# KiCad board Cockpit.kicad_pcb (continued)
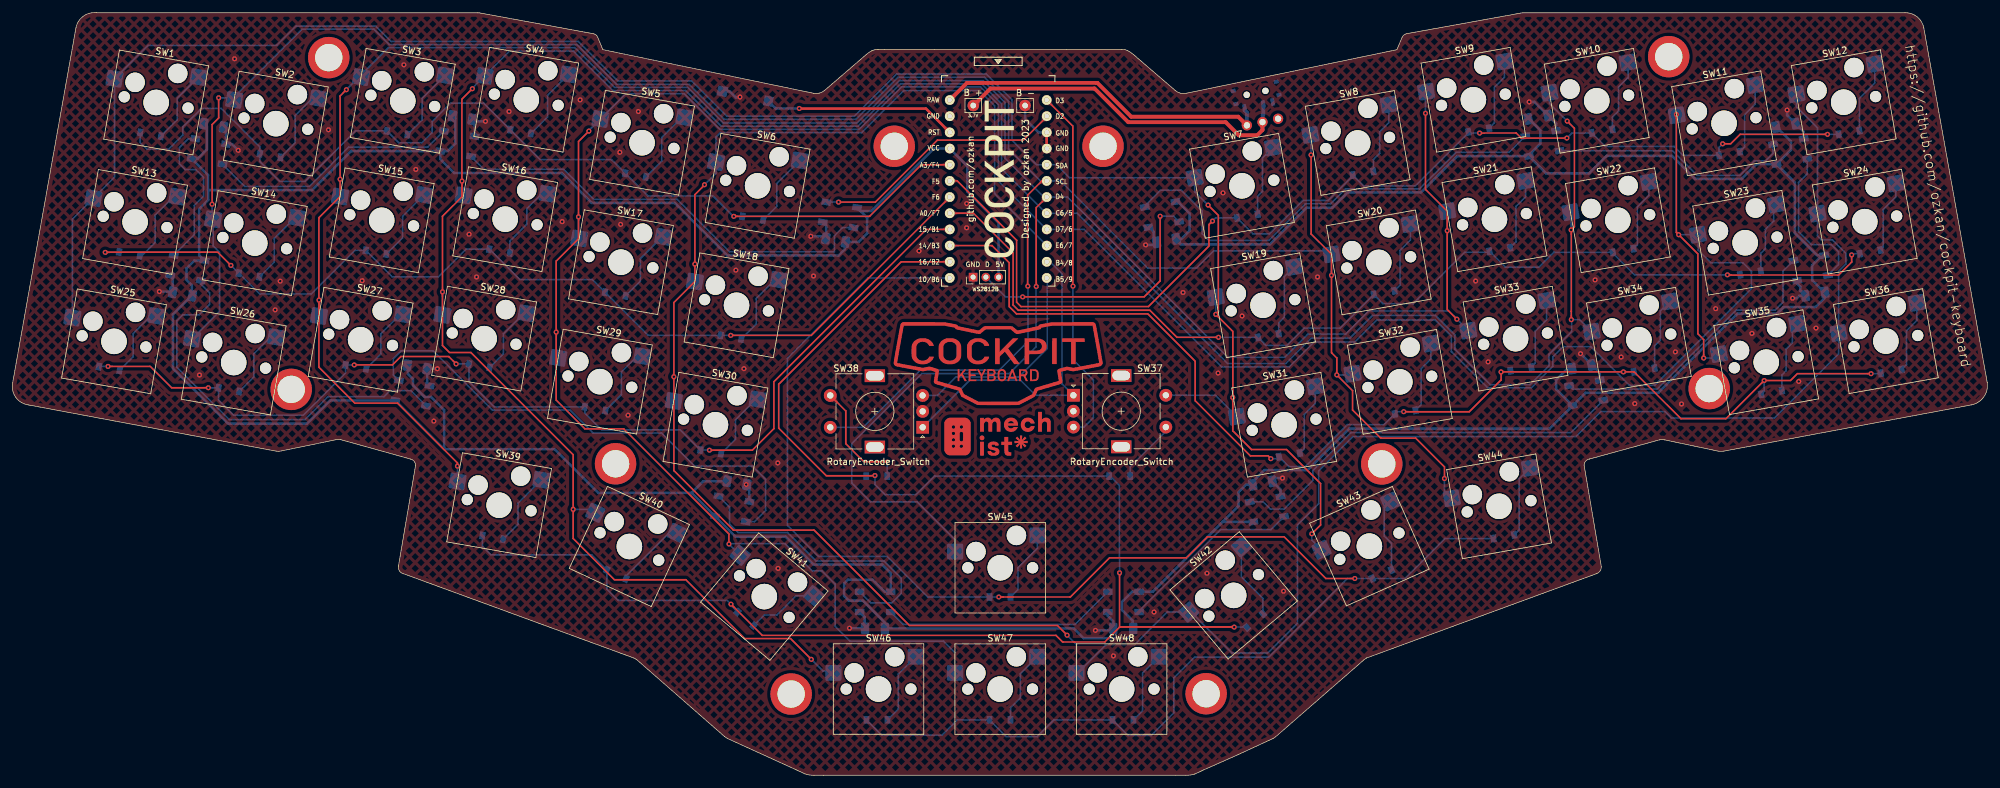
[diagram p0: board, top side]
## Copper pours and planes (outline as drawn; the poured copper is in the pictures) (continued)
COL5 on Bottom: 280.37,104.71 280.22,104.9 280.15,105.07 280.16,105.23 280.22,105.39 280.33,105.54 280.46,105.69 280.62,105.86 280.78,106.03 280.92,106.22 281.05,106.43 279.92,107.6 279.04,106.09 279.2,105.92 279.33,105.76 279.43,105.62 279.51,105.48 279.59,105.34 279.66,105.2 279.75,105.06 279.87,104.9 280.01,104.73 280.19,104.53
COL5 on Bottom: 283.36,85.72 283.37,86.02 283.42,86.26 283.49,86.46 283.59,86.63 283.7,86.78 283.82,86.92 283.95,87.07 284.09,87.24 284.22,87.43 284.36,87.67 283.23,88.84 282.11,87.67 282.24,87.43 282.37,87.24 282.51,87.07 282.64,86.92 282.76,86.78 282.88,86.63 282.97,86.46 283.04,86.26 283.09,86.02 283.11,85.72
COL5 on Bottom: 103.62,61.28 103.61,60.98 103.56,60.74 103.49,60.54 103.39,60.37 103.28,60.22 103.16,60.08 103.03,59.93 102.89,59.76 102.75,59.57 102.62,59.33 103.74,58.16 104.87,59.32 104.74,59.56 104.61,59.76 104.47,59.93 104.34,60.07 104.21,60.22 104.1,60.37 104.01,60.54 103.94,60.74 103.89,60.98 103.87,61.28
COL5 on Bottom: 161.1,84.17 161.22,84.04 161.31,83.92 161.37,83.8 161.41,83.69 161.43,83.59 161.44,83.47 161.46,83.36 161.47,83.23 161.5,83.09 161.55,82.94 162.54,82.92 162.52,83.91 162.36,83.95 162.22,83.98 162.1,84 161.98,84.01 161.87,84.02 161.76,84.05 161.65,84.08 161.54,84.14 161.41,84.23 161.28,84.35
COL5 on Bottom: 166.81,18.57 166.8,18.27 166.75,18.03 166.68,17.83 166.58,17.66 166.47,17.51 166.35,17.37 166.22,17.22 166.08,17.06 165.94,16.86 165.81,16.62 166.94,15.45 168.06,16.62 167.93,16.86 167.8,17.06 167.66,17.22 167.53,17.37 167.4,17.51 167.29,17.66 167.2,17.83 167.13,18.03 167.08,18.27 167.06,18.57
COL5 on Bottom: 283.11,90.7 283.09,90.41 283.04,90.17 282.97,89.97 282.88,89.8 282.76,89.65 282.64,89.51 282.51,89.36 282.37,89.19 282.24,89 282.11,88.76 283.23,87.59 284.36,88.76 284.22,89 284.09,89.19 283.95,89.36 283.82,89.51 283.7,89.65 283.59,89.8 283.49,89.97 283.42,90.17 283.37,90.41 283.36,90.7
D2 on Top: 161.32,102.3 161.45,102.42 161.58,102.51 161.69,102.57 161.81,102.62 161.92,102.64 162.03,102.66 162.15,102.68 162.28,102.71 162.41,102.75 162.57,102.81 162.52,103.79 161.53,103.7 161.5,103.55 161.48,103.41 161.47,103.28 161.46,103.16 161.45,103.05 161.43,102.95 161.4,102.84 161.34,102.72 161.26,102.6 161.14,102.47
D2 on Bottom: 128.67,90.14 128.55,90.15 128.46,90.16 128.38,90.18 128.31,90.21 128.24,90.24 128.18,90.28 128.05,90.37 127.98,90.42 127.89,90.46 127.42,90.01 127.9,89.56 127.99,89.61 128.06,89.66 128.19,89.75 128.25,89.79 128.31,89.82 128.38,89.85 128.46,89.87 128.55,89.89 128.67,89.89
D3 on Top: 163.43,105.06 163.31,105.19 163.23,105.31 163.17,105.43 163.13,105.54 163.11,105.65 163.09,105.76 163.08,105.88 163.06,106 163.03,106.14 162.99,106.3 162,106.32 162.02,105.33 162.17,105.28 162.31,105.25 162.44,105.23 162.56,105.22 162.67,105.21 162.78,105.18 162.89,105.15 163,105.09 163.12,105 163.26,104.88
D3 on Bottom: 168.27,55.02 168.12,54.9 167.98,54.85 167.85,54.85 167.73,54.91 167.6,54.99 167.48,55.11 167.35,55.23 167.21,55.36 167.06,55.48 166.89,55.58 165.96,54.68 167.16,53.97 167.3,54.1 167.43,54.2 167.55,54.27 167.67,54.33 167.78,54.38 167.9,54.44 168.02,54.5 168.15,54.59 168.29,54.7 168.44,54.84
DOUT on Bottom: 153.75,77.37 153.65,77.49 153.57,77.59 153.52,77.69 153.48,77.79 153.46,77.88 153.45,77.98 153.43,78.08 153.42,78.2 153.39,78.32 153.35,78.45 152.47,78.47 152.49,77.59 152.63,77.55 152.75,77.53 152.86,77.51 152.96,77.5 153.06,77.48 153.16,77.46 153.25,77.43 153.35,77.37 153.46,77.3 153.58,77.19
RAW on Top: 147.91,107.33 147.79,107.22 147.67,107.12 147.57,107.05 147.47,106.99 147.37,106.95 147.28,106.91 147.17,106.88 147.06,106.85 146.94,106.81 146.8,106.77 146.78,105.78 147.77,105.8 147.81,105.93 147.85,106.06 147.88,106.17 147.91,106.27 147.95,106.37 147.99,106.47 148.05,106.57 148.12,106.67 148.22,106.78 148.34,106.91
RAW on Top: 192.35,102.98 192.47,102.85 192.57,102.73 192.64,102.62 192.7,102.52 192.74,102.42 192.78,102.31 192.81,102.2 192.84,102.09 192.88,101.95 192.93,101.81 193.97,101.79 193.95,102.83 193.8,102.87 193.67,102.91 193.55,102.94 193.44,102.98 193.34,103.01 193.23,103.05 193.13,103.11 193.02,103.19 192.9,103.28 192.77,103.41
RAW on Bottom: 193.38,103.66 193.38,103.48 193.36,103.33 193.34,103.2 193.3,103.08 193.26,102.98 193.21,102.88 193.16,102.78 193.1,102.68 193.03,102.56 192.96,102.42 193.68,101.67 194.4,102.42 194.33,102.56 194.27,102.68 194.21,102.78 194.15,102.88 194.1,102.98 194.06,103.08 194.03,103.2 194,103.33 193.99,103.48 193.98,103.66
ROW0 on Top: 145.53,95.76 145.71,95.75 145.85,95.73 145.97,95.69 146.08,95.64 146.17,95.57 146.26,95.51 146.35,95.43 146.46,95.36 146.57,95.28 146.72,95.2 147.43,95.89 146.72,96.57 146.57,96.49 146.46,96.42 146.35,96.34 146.26,96.26 146.17,96.2 146.08,96.14 145.97,96.08 145.85,96.04 145.71,96.02 145.53,96.01
ROW1 on Top: 148.56,93.18 148.44,93.29 148.33,93.38 148.24,93.45 148.14,93.5 147.97,93.6 147.88,93.65 147.79,93.71 147.69,93.79 147.59,93.88 146.67,93.35 147.38,92.66 147.5,92.73 147.61,92.81 147.71,92.9 147.81,92.98 147.9,93.05 147.99,93.1 148.08,93.13 148.18,93.13 148.28,93.09 148.39,93
ROW2 on Top: 146.06,89.64 146.19,89.76 146.32,89.85 146.43,89.91 146.54,89.94 146.65,89.97 146.76,89.98 146.88,89.99 147,90.01 147.14,90.04 147.3,90.09 147.32,91.08 146.33,91.06 146.28,90.9 146.25,90.76 146.24,90.64 146.22,90.52 146.21,90.41 146.19,90.3 146.15,90.19 146.09,90.07 146,89.95 145.88,89.82
ROW3 on Top: 148.57,88.39 148.39,88.4 148.24,88.42 148.12,88.46 148.02,88.52 147.92,88.58 147.83,88.64 147.74,88.72 147.64,88.8 147.52,88.87 147.38,88.95 146.67,88.27 147.38,87.58 147.52,87.66 147.64,87.74 147.74,87.81 147.83,87.89 147.92,87.95 148.02,88.02 148.12,88.07 148.24,88.11 148.39,88.13 148.57,88.14
ROW4 on Top: 145.53,85.6 145.71,85.59 145.85,85.57 145.97,85.53 146.08,85.48 146.17,85.41 146.26,85.35 146.35,85.27 146.46,85.2 146.57,85.12 146.72,85.04 147.43,85.73 146.72,86.41 146.57,86.33 146.46,86.26 146.35,86.18 146.26,86.1 146.17,86.04 146.08,85.98 145.97,85.92 145.85,85.88 145.71,85.86 145.53,85.85
ROW5 on Top: 148.57,83.31 148.39,83.32 148.24,83.34 148.12,83.38 148.02,83.44 147.92,83.5 147.83,83.56 147.74,83.64 147.64,83.72 147.52,83.79 147.38,83.87 146.67,83.19 147.38,82.5 147.52,82.58 147.64,82.66 147.74,82.73 147.83,82.81 147.92,82.87 148.02,82.94 148.12,82.99 148.24,83.03 148.39,83.05 148.57,83.06
ROW6 on Top: 145.53,80.52 145.71,80.51 145.85,80.49 145.97,80.45 146.08,80.4 146.17,80.33 146.26,80.27 146.35,80.19 146.46,80.12 146.57,80.04 146.72,79.96 147.43,80.65 146.72,81.33 146.57,81.25 146.46,81.18 146.35,81.1 146.26,81.02 146.17,80.96 146.08,80.9 145.97,80.84 145.85,80.8 145.71,80.78 145.53,80.77
ROW7 on Bottom: 145.53,77.98 145.71,77.97 145.85,77.95 145.97,77.91 146.08,77.86 146.17,77.79 146.26,77.73 146.35,77.65 146.46,77.58 146.57,77.5 146.72,77.42 147.43,78.11 146.72,78.79 146.57,78.71 146.46,78.64 146.35,78.56 146.26,78.48 146.17,78.42 146.08,78.36 145.97,78.3 145.85,78.26 145.71,78.24 145.53,78.23
RST on Top: 145.83,101.9 145.95,101.77 146.04,101.65 146.1,101.54 146.15,101.44 146.18,101.33 146.21,101.23 146.23,101.12 146.25,101 146.28,100.86 146.33,100.72 147.32,100.7 147.3,101.69 147.15,101.73 147.02,101.76 146.9,101.79 146.79,101.81 146.68,101.83 146.58,101.86 146.47,101.91 146.36,101.97 146.24,102.06 146.11,102.18
RST on Bottom: 119.73,105.01 119.62,105.13 119.53,105.24 119.47,105.34 119.43,105.44 119.4,105.53 119.37,105.63 119.33,105.85 119.3,105.97 119.26,106.11 118.33,106.13 118.34,105.2 118.48,105.15 118.61,105.12 118.82,105.08 118.92,105.05 119.02,105.02 119.11,104.98 119.22,104.92 119.33,104.83 119.45,104.72
Net-(D1-Pad2) on Bottom: 27.45,107.8 27.67,108 27.88,108.14 28.07,108.23 28.25,108.28 28.44,108.31 28.63,108.32 28.83,108.33 29.04,108.35 29.28,108.39 29.54,108.47 29.59,110.09 27.97,110.07 27.89,109.81 27.84,109.58 27.82,109.36 27.8,109.16 27.79,108.97 27.76,108.79 27.71,108.6 27.61,108.41 27.47,108.2 27.27,107.98
Net-(D2-Pad2) on Bottom: 45.92,105.04 46.1,105.19 46.27,105.3 46.43,105.35 46.59,105.37 46.75,105.36 46.91,105.32 47.08,105.27 47.26,105.21 47.46,105.15 47.68,105.1 48.53,106.48 47.04,107.21 46.85,106.99 46.7,106.79 46.59,106.61 46.5,106.43 46.43,106.25 46.35,106.06 46.25,105.87 46.13,105.67 45.96,105.45 45.74,105.21
Net-(D3-Pad2) on Bottom: 66.17,108.06 66.4,108.25 66.6,108.39 66.79,108.48 66.98,108.53 67.16,108.56 67.35,108.57 67.55,108.59 67.76,108.61 68,108.65 68.26,108.72 68.29,110.35 66.67,110.31 66.59,110.05 66.55,109.82 66.53,109.61 66.52,109.41 66.5,109.22 66.48,109.04 66.42,108.85 66.33,108.66 66.2,108.45 66,108.23
Net-(D4-Pad2) on Bottom: 85.55,108.23 85.78,108.43 85.98,108.57 86.17,108.66 86.36,108.71 86.54,108.74 86.73,108.75 86.93,108.76 87.14,108.78 87.38,108.83 87.64,108.9 87.67,110.52 86.05,110.49 85.97,110.23 85.93,110 85.91,109.78 85.9,109.59 85.88,109.4 85.86,109.21 85.8,109.03 85.71,108.84 85.58,108.63 85.38,108.41
Net-(D5-Pad2) on Bottom: 103.54,101.68 103.75,101.86 103.94,101.99 104.12,102.06 104.3,102.1 104.48,102.11 104.66,102.1 104.85,102.09 105.06,102.07 105.29,102.07 105.54,102.09 105.92,103.67 104.33,103.98 104.19,103.73 104.1,103.5 104.04,103.28 103.99,103.08 103.95,102.89 103.91,102.7 103.84,102.51 103.73,102.31 103.58,102.09 103.37,101.85
Net-(D6-Pad2) on Bottom: 121.86,94.71 122.08,94.91 122.28,95.05 122.48,95.14 122.66,95.19 122.85,95.22 123.04,95.23 123.23,95.24 123.45,95.26 123.68,95.3 123.94,95.38 123.97,97 122.35,96.97 122.28,96.71 122.23,96.47 122.21,96.26 122.2,96.06 122.19,95.87 122.16,95.69 122.11,95.5 122.02,95.31 121.88,95.11 121.68,94.89
Net-(D7-Pad2) on Bottom: 196.25,96.78 196.28,97.03 196.37,97.2 196.51,97.31 196.69,97.35 196.9,97.36 197.14,97.35 197.39,97.34 197.66,97.33 197.92,97.35 198.18,97.41 198.22,99.04 196.52,98.59 196.51,98.36 196.47,98.17 196.41,98.01 196.34,97.86 196.26,97.72 196.19,97.58 196.12,97.43 196.06,97.25 196.02,97.03 196,96.78
Net-(D8-Pad2) on Bottom: 216.06,102.83 216.08,103.13 216.13,103.37 216.2,103.57 216.29,103.74 216.4,103.89 216.53,104.03 216.66,104.18 216.8,104.35 216.93,104.54 217.06,104.78 215.94,105.95 214.81,104.78 214.94,104.54 215.08,104.35 215.21,104.18 215.35,104.03 215.47,103.89 215.58,103.74 215.68,103.57 215.75,103.37 215.8,103.13 215.81,102.83
Net-(D9-Pad2) on Bottom: 234.17,109.52 234.34,109.72 234.46,109.9 234.53,110.07 234.58,110.24 234.61,110.4 234.63,110.56 234.67,110.72 234.73,110.88 234.83,111.05 234.98,111.22 234.1,112.73 232.97,111.56 233.12,111.32 233.31,111.11 233.52,110.93 233.73,110.76 233.92,110.59 234.08,110.43 234.19,110.27 234.22,110.1 234.16,109.91 234,109.7
Net-(D10-Pad2) on Bottom: 253.45,109.37 253.59,109.41 253.65,109.51 253.63,109.66 253.57,109.84 253.48,110.03 253.39,110.23 253.32,110.41 253.29,110.56 253.33,110.66 253.45,110.69 253.43,112.57 252.35,111.35 252.52,111.11 252.73,110.86 252.97,110.62 253.22,110.4 253.44,110.19 253.63,110 253.74,109.85 253.77,109.73 253.68,109.65 253.45,109.62
Net-(D11-Pad2) on Bottom: 273.56,105.92 273.58,106.22 273.62,106.46 273.7,106.66 273.79,106.83 273.9,106.98 274.03,107.12 274.16,107.27 274.29,107.43 274.43,107.63 274.56,107.87 273.44,109.04 272.31,107.87 272.44,107.63 272.58,107.43 272.71,107.27 272.85,107.12 272.97,106.98 273.08,106.83 273.17,106.66 273.25,106.46 273.29,106.22 273.31,105.92
Net-(D12-Pad2) on Bottom: 292.34,109.23 292.35,109.53 292.4,109.77 292.47,109.97 292.57,110.14 292.68,110.29 292.8,110.43 292.93,110.58 293.07,110.74 293.21,110.94 293.34,111.18 292.21,112.35 291.09,111.18 291.22,110.94 291.35,110.74 291.49,110.58 291.62,110.43 291.75,110.29 291.86,110.14 291.95,109.97 292.02,109.77 292.07,109.53 292.09,109.23
Net-(D13-Pad2) on Bottom: 23.91,89.37 24.1,89.55 24.29,89.67 24.46,89.73 24.63,89.77 24.8,89.77 24.98,89.75 25.37,89.68 25.59,89.65 25.83,89.64 26.4,91.16 24.86,91.67 24.69,91.43 24.57,91.21 24.48,91 24.42,90.81 24.36,90.61 24.3,90.42 24.22,90.22 24.11,90.02 23.95,89.79 23.73,89.55
Net-(D14-Pad2) on Bottom: 42.79,85.88 43,86.07 43.19,86.19 43.38,86.27 43.55,86.31 43.73,86.33 43.92,86.32 44.11,86.31 44.32,86.3 44.55,86.3 44.81,86.33 45.13,87.92 43.53,88.18 43.4,87.93 43.32,87.69 43.26,87.48 43.22,87.28 43.19,87.09 43.14,86.9 43.08,86.71 42.97,86.5 42.82,86.29 42.61,86.06
Net-(D15-Pad2) on Bottom: 62.87,89.3 63.09,89.49 63.29,89.63 63.48,89.72 63.67,89.77 63.85,89.8 64.04,89.81 64.24,89.82 64.45,89.85 64.69,89.89 64.95,89.96 64.98,91.59 63.36,91.55 63.28,91.29 63.24,91.06 63.22,90.85 63.21,90.65 63.19,90.46 63.17,90.27 63.11,90.09 63.03,89.9 62.89,89.69 62.69,89.47
Net-(D16-Pad2) on Bottom: 81.91,90.05 82.09,90.2 82.25,90.31 82.42,90.36 82.57,90.38 82.73,90.37 82.89,90.33 83.06,90.28 83.25,90.21 83.44,90.15 83.66,90.1 84.53,91.47 83.04,92.21 82.84,91.99 82.69,91.79 82.58,91.61 82.49,91.43 82.42,91.25 82.34,91.07 82.24,90.88 82.12,90.68 81.95,90.46 81.73,90.22
Net-(D17-Pad2) on Bottom: 100.33,82.79 100.54,82.98 100.74,83.11 100.93,83.2 101.12,83.25 101.3,83.27 101.48,83.27 101.68,83.27 101.89,83.28 102.13,83.3 102.39,83.35 102.56,84.97 100.95,85.08 100.85,84.82 100.78,84.58 100.74,84.37 100.69,83.98 100.66,83.79 100.6,83.6 100.5,83.4 100.36,83.19 100.15,82.96
Net-(D18-Pad2) on Bottom: 118.29,76.31 118.48,76.48 118.66,76.6 118.84,76.67 119,76.69 119.17,76.69 119.35,76.67 119.73,76.6 119.95,76.57 120.19,76.55 120.79,78.06 119.26,78.6 119.09,78.36 118.96,78.15 118.87,77.94 118.81,77.75 118.75,77.55 118.69,77.36 118.6,77.16 118.49,76.96 118.33,76.73 118.11,76.49
Net-(D19-Pad2) on Bottom: 199.68,77.96 199.71,78.21 199.79,78.38 199.92,78.49 200.09,78.54 200.28,78.57 200.5,78.57 200.74,78.56 200.99,78.57 201.24,78.59 201.49,78.65 201.52,80.27 199.83,79.83 199.82,79.6 199.79,79.4 199.75,79.24 199.69,79.08 199.63,78.94 199.57,78.79 199.52,78.63 199.47,78.44 199.44,78.23 199.43,77.96
Net-(D20-Pad2) on Bottom: 219.43,83.98 219.59,84.17 219.69,84.35 219.76,84.52 219.79,84.69 219.8,84.86 219.82,85.02 219.84,85.18 219.9,85.34 219.99,85.51 220.13,85.68 219.2,87.19 218.17,85.93 218.33,85.71 218.53,85.51 218.75,85.33 218.96,85.17 219.16,85.02 219.32,84.87 219.43,84.71 219.46,84.55 219.41,84.36 219.25,84.16
Net-(D21-Pad2) on Bottom: 237.53,90.86 237.55,91.15 237.59,91.39 237.67,91.59 237.76,91.76 237.87,91.91 238,92.05 238.13,92.2 238.26,92.37 238.4,92.56 238.53,92.8 237.41,93.97 236.28,92.8 236.41,92.56 236.55,92.37 236.68,92.2 236.82,92.05 236.94,91.91 237.05,91.76 237.15,91.59 237.22,91.39 237.26,91.15 237.28,90.86
Net-(D22-Pad2) on Bottom: 256.58,90.71 256.76,90.9 256.89,91.07 257,91.23 257.08,91.39 257.14,91.53 257.21,91.67 257.28,91.82 257.37,91.97 257.49,92.13 257.65,92.3 256.76,93.81 255.64,92.64 255.77,92.42 255.92,92.23 256.09,92.05 256.26,91.88 256.41,91.73 256.53,91.57 256.61,91.42 256.62,91.25 256.56,91.08 256.4,90.88
Net-(D23-Pad2) on Bottom: 276.47,87.21 276.48,87.47 276.53,87.69 276.6,87.86 276.7,88 276.82,88.13 276.96,88.24 277.28,88.47 277.45,88.61 277.64,88.78 276.94,90.24 275.5,89.49 275.56,89.21 275.63,88.97 275.72,88.76 275.81,88.58 275.91,88.41 276,88.23 276.09,88.03 276.16,87.81 276.2,87.54 276.22,87.21
Net-(D24-Pad2) on Bottom: 295.35,90.48 295.52,90.67 295.66,90.85 295.76,91.01 295.84,91.16 295.9,91.31 295.97,91.45 296.04,91.59 296.13,91.75 296.25,91.9 296.4,92.08 295.52,93.59 294.39,92.42 294.53,92.2 294.68,92 294.85,91.83 295.02,91.66 295.18,91.5 295.3,91.35 295.37,91.19 295.39,91.03 295.32,90.85 295.17,90.66
Net-(D25-Pad2) on Bottom: 20.52,70.83 20.7,70.98 20.87,71.09 21.04,71.15 21.2,71.17 21.36,71.15 21.52,71.12 21.69,71.07 21.88,71.01 22.08,70.95 22.3,70.9 23.13,72.3 21.64,73.01 21.45,72.8 21.3,72.6 21.19,72.41 21.11,72.22 21.03,72.04 20.95,71.86 20.86,71.67 20.73,71.46 20.57,71.24 20.35,71
Net-(D26-Pad2) on Bottom: 39.31,67.49 39.49,67.65 39.66,67.75 39.82,67.81 39.98,67.83 40.14,67.82 40.31,67.78 40.48,67.73 40.67,67.68 40.87,67.62 41.1,67.57 41.91,68.98 40.43,69.69 40.23,69.47 40.08,69.27 39.97,69.08 39.89,68.89 39.81,68.71 39.73,68.53 39.64,68.33 39.52,68.13 39.35,67.91 39.13,67.66
Net-(D27-Pad2) on Bottom: 59.36,70.75 59.57,70.94 59.76,71.06 59.94,71.14 60.12,71.17 60.29,71.18 60.47,71.17 60.66,71.15 60.87,71.13 61.1,71.13 61.35,71.14 61.76,72.71 60.18,73.06 60.04,72.81 59.94,72.58 59.87,72.37 59.83,72.17 59.78,71.98 59.73,71.78 59.66,71.59 59.55,71.39 59.4,71.17 59.19,70.93
Net-(D28-Pad2) on Bottom: 78.75,70.92 78.96,71.1 79.15,71.23 79.33,71.3 79.51,71.34 79.69,71.35 79.87,71.34 80.06,71.32 80.27,71.31 80.5,71.3 80.75,71.32 81.14,72.9 79.55,73.22 79.41,72.97 79.32,72.74 79.25,72.53 79.21,72.33 79.17,72.14 79.12,71.95 79.05,71.75 78.94,71.55 78.79,71.33 78.58,71.09
Net-(D29-Pad2) on Bottom: 96.79,64.44 96.98,64.61 97.15,64.71 97.32,64.78 97.48,64.8 97.64,64.79 97.81,64.76 97.99,64.71 98.17,64.66 98.38,64.61 98.61,64.57 99.37,66 97.89,66.69 97.7,66.47 97.55,66.26 97.44,66.07 97.36,65.88 97.29,65.69 97.22,65.5 97.13,65.3 97.01,65.09 96.84,64.87 96.62,64.62
Net-(D30-Pad2) on Bottom: 115.1,57.33 115.32,57.52 115.51,57.65 115.7,57.73 115.87,57.77 116.05,57.78 116.24,57.78 116.43,57.77 116.64,57.77 116.88,57.77 117.13,57.81 117.42,59.41 115.81,59.63 115.69,59.37 115.61,59.14 115.56,58.93 115.53,58.73 115.49,58.54 115.45,58.35 115.39,58.15 115.29,57.95 115.14,57.74 114.93,57.51
Net-(D31-Pad2) on Bottom: 204.52,58.58 204.53,58.88 204.58,59.12 204.65,59.32 204.75,59.49 204.86,59.64 204.98,59.78 205.11,59.93 205.25,60.09 205.38,60.29 205.52,60.53 204.39,61.7 203.27,60.53 203.4,60.29 203.53,60.09 203.67,59.93 203.8,59.78 203.92,59.64 204.04,59.49 204.13,59.32 204.2,59.12 204.25,58.88 204.27,58.58
Net-(D32-Pad2) on Bottom: 222.58,65.24 222.75,65.43 222.87,65.61 222.95,65.78 223,65.95 223.04,66.11 223.07,66.26 223.12,66.42 223.18,66.58 223.29,66.75 223.44,66.92 222.55,68.43 221.43,67.26 221.57,67.02 221.76,66.82 221.96,66.63 222.16,66.46 222.34,66.3 222.5,66.14 222.59,65.98 222.62,65.81 222.57,65.62 222.4,65.42
Net-(D33-Pad2) on Bottom: 240.84,72.1 240.86,72.39 240.9,72.63 240.98,72.83 241.07,73 241.18,73.15 241.3,73.29 241.44,73.44 241.57,73.61 241.71,73.8 241.84,74.04 240.71,75.21 239.59,74.04 239.72,73.8 239.86,73.61 239.99,73.44 240.12,73.29 240.25,73.15 240.36,73 240.45,72.83 240.53,72.63 240.57,72.39 240.59,72.1
Net-(D34-Pad2) on Bottom: 258.69,72.55 258.71,72.79 258.8,72.96 258.92,73.07 259.09,73.13 259.28,73.15 259.5,73.15 259.74,73.15 259.98,73.15 260.23,73.18 260.48,73.24 260.51,74.86 258.82,74.42 258.81,74.19 258.78,73.99 258.74,73.82 258.68,73.67 258.63,73.52 258.57,73.38 258.52,73.21 258.48,73.03 258.45,72.81 258.44,72.55
Net-(D35-Pad2) on Bottom: 279.41,68.65 279.43,68.87 279.47,69.05 279.55,69.19 279.65,69.3 279.77,69.4 279.91,69.47 280.06,69.54 280.24,69.61 280.42,69.68 280.61,69.77 280.43,71.39 278.8,70.89 278.81,70.61 278.84,70.38 278.88,70.18 278.93,69.99 278.98,69.82 279.04,69.64 279.08,69.44 279.13,69.22 279.15,68.96 279.16,68.65
Net-(D36-Pad2) on Bottom: 298.95,71.71 298.97,72.01 299.02,72.25 299.09,72.45 299.18,72.62 299.29,72.76 299.42,72.91 299.55,73.06 299.69,73.22 299.82,73.42 299.95,73.66 298.83,74.83 297.7,73.66 297.83,73.42 297.97,73.22 298.11,73.06 298.24,72.91 298.36,72.76 298.47,72.62 298.57,72.45 298.64,72.25 298.69,72.01 298.7,71.71
Net-(D37-Pad2) on Bottom: 180.04,52.93 180.24,53.1 180.41,53.24 180.58,53.34 180.73,53.41 180.88,53.48 181.03,53.54 181.18,53.61 181.33,53.7 181.49,53.81 181.66,53.97 181.1,55.16 179.97,54.53 180,54.35 180.04,54.19 180.08,54.04 180.12,53.9 180.14,53.77 180.15,53.64 180.13,53.52 180.08,53.38 179.99,53.25 179.86,53.1
Net-(D38-Pad2) on Top: 129.79,58.33 129.63,58.5 129.52,58.67 129.45,58.82 129.4,58.96 129.38,59.11 129.36,59.26 129.35,59.42 129.33,59.58 129.3,59.77 129.24,59.98 127.94,60 127.97,58.7 128.17,58.64 128.36,58.61 128.53,58.59 128.68,58.58 128.83,58.56 128.98,58.54 129.12,58.49 129.28,58.42 129.44,58.31 129.61,58.15
Net-(D39-Pad2) on Bottom: 81.29,44.55 81.52,44.75 81.72,44.89 81.91,44.98 82.1,45.03 82.28,45.06 82.47,45.07 82.67,45.08 82.88,45.1 83.12,45.14 83.38,45.22 83.41,46.84 81.79,46.81 81.71,46.55 81.67,46.32 81.65,46.1 81.64,45.91 81.62,45.72 81.6,45.53 81.54,45.35 81.45,45.15 81.32,44.95 81.12,44.73
Net-(D40-Pad2) on Bottom: 102.16,37.05 102.32,37.18 102.47,37.27 102.62,37.31 102.76,37.32 102.9,37.29 103.05,37.24 103.2,37.17 103.52,37.01 103.7,36.92 104.83,38.08 103.33,38.95 103.14,38.75 103,38.58 102.88,38.42 102.78,38.27 102.69,38.12 102.59,37.97 102.49,37.81 102.36,37.63 102.19,37.44 101.99,37.22
Net-(D41-Pad2) on Bottom: 123.2,28.07 123.49,28.06 123.74,28.01 123.93,27.94 124.1,27.84 124.25,27.73 124.39,27.61 124.54,27.48 124.71,27.34 124.9,27.2 125.14,27.07 126.31,28.2 125.14,29.32 124.9,29.19 124.71,29.06 124.54,28.92 124.39,28.79 124.25,28.66 124.1,28.55 123.93,28.46 123.74,28.39 123.49,28.34 123.2,28.32
Net-(D42-Pad2) on Bottom: 192.94,33.41 192.96,33.7 193,33.94 193.08,34.14 193.17,34.31 193.28,34.46 193.41,34.6 193.54,34.75 193.67,34.92 193.81,35.11 193.94,35.35 192.82,36.52 191.69,35.35 191.82,35.11 191.96,34.92 192.09,34.75 192.23,34.6 192.35,34.46 192.46,34.31 192.55,34.14 192.63,33.94 192.67,33.7 192.69,33.41
Net-(D43-Pad2) on Bottom: 215.35,40.89 215.37,41.1 215.42,41.26 215.5,41.39 215.6,41.48 215.73,41.56 215.87,41.62 216.03,41.66 216.21,41.71 216.39,41.76 216.58,41.82 216.62,43.44 214.92,43 214.93,42.74 214.94,42.52 214.96,42.33 214.99,42.15 215.04,41.82 215.07,41.63 215.09,41.43 215.1,41.18 215.1,40.89
Net-(D44-Pad2) on Bottom: 236.54,46.47 236.57,46.73 236.66,46.9 236.8,47 236.99,47.05 237.21,47.05 237.45,47.03 237.72,47.01 237.99,47 238.27,47.01 238.54,47.08 238.57,48.7 236.88,48.26 236.86,48.03 236.82,47.84 236.75,47.68 236.67,47.54 236.58,47.4 236.5,47.26 236.41,47.11 236.35,46.94 236.3,46.72 236.29,46.47
Net-(D45-Pad2) on Bottom: 160.56,35.22 160.74,35.42 160.88,35.59 160.99,35.75 161.08,35.89 161.16,36.03 161.23,36.17 161.31,36.31 161.41,36.45 161.54,36.61 161.7,36.78 160.81,38.29 159.69,37.12 159.81,36.91 159.96,36.72 160.12,36.55 160.28,36.38 160.42,36.23 160.53,36.08 160.59,35.92 160.6,35.76 160.53,35.59 160.38,35.4
Net-(D46-Pad2) on Bottom: 140.04,16.77 140.26,16.97 140.47,17.11 140.66,17.19 140.84,17.25 141.03,17.27 141.22,17.29 141.42,17.3 141.63,17.32 141.86,17.36 142.12,17.44 142.16,19.06 140.53,19.03 140.46,18.77 140.42,18.53 140.39,18.32 140.38,18.12 140.37,17.93 140.34,17.75 140.29,17.56 140.2,17.37 140.06,17.17 139.87,16.95
Net-(D47-Pad2) on Bottom: 159.11,16.76 159.33,16.96 159.54,17.1 159.73,17.19 159.92,17.24 160.1,17.27 160.29,17.28 160.49,17.29 160.71,17.31 160.94,17.36 161.2,17.43 161.24,19.05 159.62,19.03 159.54,18.77 159.5,18.53 159.48,18.32 159.46,18.12 159.45,17.93 159.42,17.74 159.37,17.56 159.27,17.36 159.13,17.16 158.93,16.93
Net-(D48-Pad2) on Bottom: 178.19,16.77 178.41,16.97 178.62,17.11 178.81,17.19 179,17.25 179.18,17.27 179.37,17.29 179.57,17.3 179.78,17.32 180.01,17.36 180.28,17.44 180.31,19.06 178.68,19.03 178.61,18.77 178.57,18.53 178.55,18.32 178.53,18.12 178.52,17.93 178.49,17.75 178.44,17.56 178.35,17.37 178.21,17.17 178.02,16.95
Net-(J2-Pad1) on Top: 196.09,100.88 196.21,101.01 196.29,101.14 196.35,101.26 196.39,101.37 196.42,101.48 196.45,101.59 196.48,101.69 196.53,101.8 196.6,101.91 196.69,102.02 196.13,102.99 195.41,102.24 195.47,102.14 195.54,102.04 195.67,101.85 195.73,101.76 195.78,101.68 195.8,101.59 195.79,101.5 195.75,101.41 195.67,101.31
Net-(J2-Pad1) on Top: 151.82,106.66 151.67,106.52 151.53,106.41 151.41,106.33 151.29,106.27 151.17,106.22 151.05,106.19 150.92,106.16 150.78,106.13 150.63,106.09 150.46,106.04 150.41,104.87 151.58,104.87 151.64,105.04 151.69,105.19 151.76,105.46 151.79,105.58 151.84,105.7 151.91,105.82 151.99,105.94 152.1,106.08 152.24,106.23
Net-(J2-Pad1) on Bottom: 195.96,104.15 195.95,103.98 195.93,103.83 195.89,103.7 195.85,103.6 195.79,103.5 195.73,103.41 195.58,103.22 195.5,103.11 195.43,102.97 196.11,102.19 196.86,102.9 196.8,103.04 196.75,103.16 196.71,103.27 196.67,103.37 196.63,103.47 196.61,103.58 196.58,103.69 196.57,103.82 196.56,103.97 196.56,104.15
Net-(LED1-Pad2) on Bottom: 130.95,85.88 131.07,85.88 131.16,85.87 131.24,85.84 131.31,85.82 131.37,85.78 131.43,85.74 131.56,85.65 131.64,85.61 131.73,85.56 132.19,86.01 131.73,86.46 131.64,86.41 131.56,86.36 131.43,86.28 131.37,86.24 131.31,86.2 131.24,86.17 131.16,86.15 131.07,86.14 130.95,86.13
Net-(LED3-Pad2) on Bottom: 27.65,99.84 27.76,99.84 27.86,99.82 27.94,99.8 28.01,99.77 28.07,99.74 28.13,99.7 28.26,99.61 28.33,99.57 28.42,99.52 28.89,99.97 28.42,100.42 28.33,100.37 28.26,100.32 28.13,100.24 28.07,100.2 28.01,100.16 27.94,100.13 27.86,100.11 27.76,100.1 27.65,100.09
Net-(LED5-Pad2) on Bottom: 116.03,39.95 115.91,39.95 115.82,39.97 115.74,39.99 115.67,40.02 115.6,40.05 115.55,40.09 115.42,40.18 115.34,40.23 115.25,40.27 114.79,39.82 115.25,39.37 115.34,39.42 115.42,39.47 115.55,39.56 115.6,39.6 115.67,39.63 115.74,39.66 115.82,39.68 115.91,39.69 116.03,39.7
Net-(LED8-Pad2) on Bottom: 177.29,26.5 177.2,26.42 177.12,26.35 177.04,26.3 176.97,26.26 176.9,26.23 176.75,26.18 176.67,26.15 176.59,26.11 176.49,26.05 176.63,25.42 177.26,25.58 177.26,25.67 177.27,25.76 177.27,25.91 177.27,25.97 177.29,26.04 177.31,26.11 177.35,26.17 177.4,26.25 177.47,26.33
